# Altium PCB unextended_ANSI.PcbDoc (part 2 of 2)
Units mm, origin at the board's own origin, x right, y up, seen from the top; angles counter-clockwise.
Board outline 284.7 x 94.2 mm, 2 copper layers (Component Side, Bottom Layer), stack 1.571 mm thick; 179 components, 118 nets, 508 pads, 302 vias.
Unrouted connection lines stored in the file: 6.
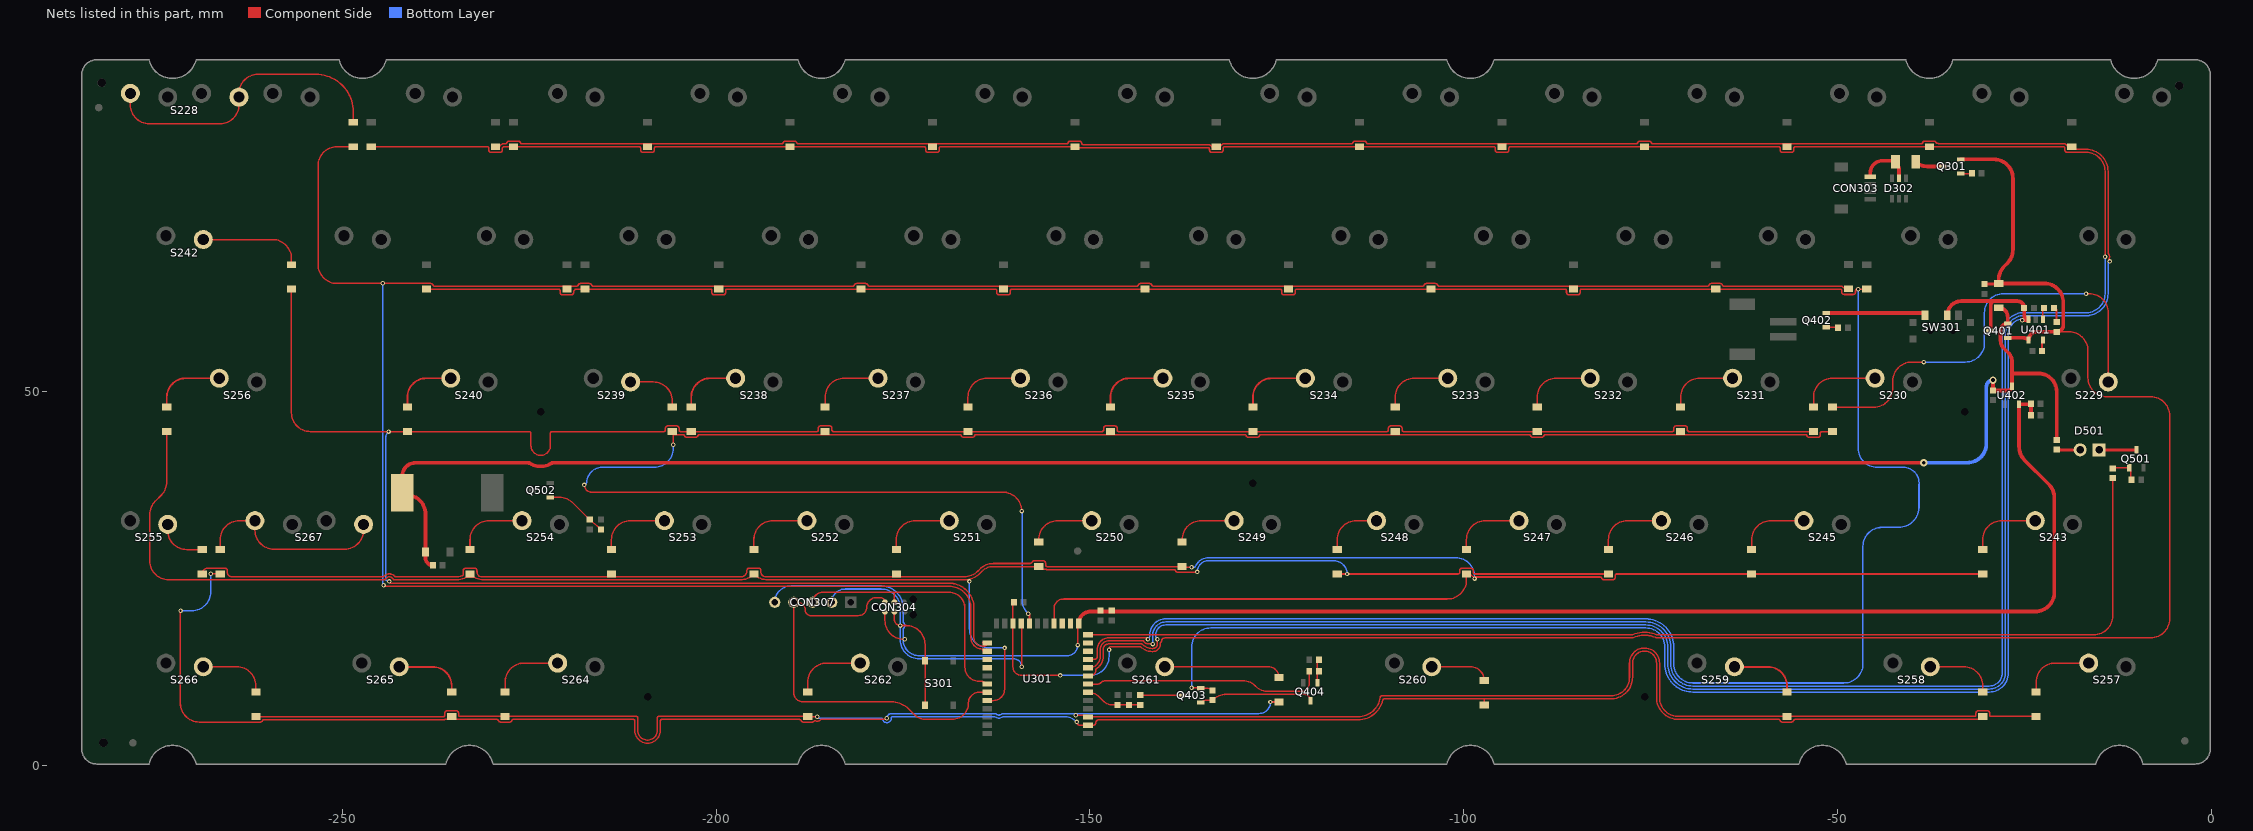
[diagram p2: the nets of this part, all layers, seen from the top]

## Via types
v1: diameter 0.6, hole 0.3, Component Side to Bottom Layer, tented both sides, 291 vias
v2: diameter 1, hole 0.5, Component Side to Bottom Layer, tented both sides, 11 vias

## Nets (pads, with @x,y where several pads share a name; then routed paths per layer and width w, separated by ;. In a path a pad name is that pad's centre, name@x,y a point inside that pad or via, vN(x,y) a via of type N, cw(c..) or ccw(c..) an arc to the next point about the centre after c; other vN are vias at no path point) (continued)
NetD228_1: D228.1 S228.2 | length 41.5
  Component Side w0.203: S228.2@-278.344,89.915 -278.344,88.392 ccw(c-275.804,88.392) -275.804,85.852 -266.359,85.852 ccw(c-266.359,88.392) -263.819,88.392 S228.2@-263.819,89.415 -263.819,89.916 cw(c-261.279,89.916) -261.279,92.456 -253.532,92.456 cw(c-253.532,87.463) -248.539,87.463 D228.1@-248.539,86.05
NetD229_1: D229.1 S229.1 | length 58.4
  Component Side w0.203: D229.1@-50.673,47.95 -45.148,47.95 ccw(c-45.148,50.49) -42.608,50.49 -42.608,51.435 cw(c-40.069,51.435) -40.069,53.975 v1(-38.481,53.975) ; v1(-16.764,63.119) -16.334,63.119 cw(c-16.334,60.579) -13.794,60.579 S229.1@-13.794,51.315
  Bottom Layer w0.203: v1(-38.481,53.975) -32.893,53.975 ccw(c-32.893,56.515) -30.353,56.515 -30.353,60.579 cw(c-27.813,60.579) -27.813,63.119 v1(-16.764,63.119)
NetD230_1: D230.1 S230.1 | length 11
  Component Side w0.203: D230.1@-53.213,47.95 -53.213,49.275 cw(c-50.673,49.275) -50.673,51.815 S230.1@-44.987,51.815
NetD231_1: D231.1 S231.1 | length 9.7
  Component Side w0.203: D231.1@-70.993,47.95 -70.993,49.275 cw(c-68.453,49.275) -68.453,51.815 S231.1@-64.037,51.815
NetD232_1: D232.1 S232.1 | length 9.9
  Component Side w0.203: D232.1@-90.17,47.95 -90.17,49.275 cw(c-87.63,49.275) -87.63,51.815 S232.1@-83.087,51.815
NetD233_1: D233.1 S233.1 | length 9.8
  Component Side w0.203: D233.1@-109.162,47.95 -109.162,49.275 cw(c-106.622,49.275) -106.622,51.815 S233.1@-102.137,51.815
NetD234_1: D234.1 S234.1 | length 9.8
  Component Side w0.254: D234.1@-128.212,47.95 -128.212,49.275 cw(c-125.672,49.275) -125.672,51.815 S234.1@-121.187,51.815
NetD235_1: D235.1 S235.1 | length 9.8
  Component Side w0.254: D235.1@-147.262,47.95 -147.262,49.275 cw(c-144.722,49.275) -144.722,51.815 S235.1@-140.237,51.815
NetD236_1: D236.1 S236.1 | length 9.8
  Component Side w0.203: D236.1@-166.312,47.95 -166.312,49.275 cw(c-163.772,49.275) -163.772,51.815 S236.1@-159.287,51.815
NetD237_1: D237.1 S237.1 | length 9.9
  Component Side w0.203: D237.1@-185.42,47.95 -185.42,49.275 cw(c-182.88,49.275) -182.88,51.815 S237.1@-178.337,51.815
NetD238_1: D238.1 S238.1 | length 8.7
  Component Side w0.254: D238.1@-203.327,47.95 -203.327,49.275 cw(c-200.787,49.275) -200.787,51.815 S238.1@-197.387,51.815
NetD239_1: D239.1 S239.1 | length 7.8
  Component Side w0.203: S239.1@-211.437,51.315 -208.407,51.315 cw(c-208.407,48.775) -205.867,48.775 D239.1@-205.867,47.95
NetD240_1: D240.1 S240.1 | length 8.6
  Component Side w0.254: D240.1@-241.3,47.95 -241.3,49.275 cw(c-238.76,49.275) -238.76,51.815 S240.1@-235.487,51.815
NetD242_1: D242.1 S242.1 | length 14.1
  Component Side w0.203: S242.1@-268.587,70.365 -259.34,70.365 cw(c-259.34,67.825) -256.8,67.825 D242.1@-256.8,67
NetD243_1: D243.1 S243.1 | length 9.8
  Component Side w0.203: D243.1@-30.581,28.9 -30.581,30.225 cw(c-28.041,30.225) -28.041,32.765 S243.1@-23.556,32.765
NetD245_1: D245.1 S245.1 | length 9.7
  Component Side w0.203: D245.1@-61.468,28.9 -61.468,30.225 cw(c-58.928,30.225) -58.928,32.765 S245.1@-54.512,32.765
NetD246_1: D246.1 S246.1 | length 9.9
  Component Side w0.203: D246.1@-80.645,28.9 -80.645,30.225 cw(c-78.105,30.225) -78.105,32.765 S246.1@-73.562,32.765
NetD247_1: D247.1 S247.1 | length 9.8
  Component Side w0.203: D247.1@-99.637,28.9 -99.637,30.225 cw(c-97.097,30.225) -97.097,32.765 S247.1@-92.612,32.765
NetD248_1: D248.1 S248.1 | length 8
  Component Side w0.203: D248.1@-116.912,28.9 -116.912,30.225 cw(c-114.372,30.225) -114.372,32.765 S248.1@-111.662,32.765
NetD249_1: D249.1 S249.1 | length 8.7
  Component Side w0.203: D249.1@-137.668,29.9 -137.668,30.225 cw(c-135.128,30.225) -135.128,32.765 S249.1@-130.712,32.765
NetD250_1: D250.1 S250.1 | length 8.9
  Component Side w0.203: D250.1@-156.845,29.9 -156.845,30.225 cw(c-154.305,30.225) -154.305,32.765 S250.1@-149.762,32.765
NetD251_1: D251.1 S251.1 | length 9.9
  Component Side w0.203: D251.1@-175.895,28.9 -175.895,30.225 cw(c-173.355,30.225) -173.355,32.765 S251.1@-168.812,32.765
NetD252_1: D252.1 S252.1 | length 9.9
  Component Side w0.203: D252.1@-194.945,28.9 -194.945,30.225 cw(c-192.405,30.225) -192.405,32.765 S252.1@-187.862,32.765
NetD253_1: D253.1 S253.1 | length 9.9
  Component Side w0.203: D253.1@-213.995,28.9 -213.995,30.225 cw(c-211.455,30.225) -211.455,32.765 S253.1@-206.912,32.765
NetD254_1: D254.1 S254.1 | length 10.1
  Component Side w0.203: D254.1@-232.918,28.9 -232.918,30.225 cw(c-230.378,30.225) -230.378,32.765 S254.1@-225.962,32.765
  Component Side w0.254: S254.1@-226.272,33.075 S254.1@-226.002,33.345
NetD255_1: D255.1 S255.1 | length 6.9
  Component Side w0.203: S255.1@-273.35,32.265 -273.35,31.44 ccw(c-270.81,31.44) -270.81,28.9 D255.1@-268.732,28.9
NetD256_1: D256.1 S256.1 | length 9.8
  Component Side w0.254: D256.1@-273.475,47.95 -273.475,49.275 cw(c-270.935,49.275) -270.935,51.815 S256.1@-266.45,51.815
NetD257_1: D257.1 S257.1 | length 9.8
  Component Side w0.203: D257.1@-23.437,9.85 -23.437,11.175 cw(c-20.897,11.175) -20.897,13.715 S257.1@-16.412,13.715
NetD258_1: D258.1 S258.1 | length 9.3
  Component Side w0.203: S258.1@-37.6,13.215 -33.115,13.215 cw(c-33.115,10.675) -30.575,10.675 D258.1@-30.575,9.85
NetD259_1: D259.1 S259.1 | length 9.3
  Component Side w0.254: S259.1@-63.799,13.215 -59.314,13.215 cw(c-59.314,10.675) -56.774,10.675 D259.1@-56.774,9.85
NetD260_1: D260.1 S260.1 | length 8.1
  Component Side w0.203: S260.1@-104.28,13.215 -99.095,13.215 cw(c-99.095,11.375) D260.1@-97.255,11.375
NetD261_1: D261.1 S261.2 | length 16.1
  Component Side w0.203: S261.2@-139.999,13.215 -126.134,13.215 cw(c-126.134,11.795) D261.1@-124.714,11.795
NetD262_1: D262.1 S262.1 | length 9.8
  Component Side w0.203: D262.1@-187.743,9.85 -187.743,11.175 cw(c-185.203,11.175) -185.203,13.715 S262.1@-180.718,13.715
NetD264_1: D264.1 S264.2 | length 9.8
  Component Side w0.203: D264.1@-228.224,9.85 -228.224,11.175 cw(c-225.684,11.175) -225.684,13.715 S264.2@-221.199,13.715
NetD265_1: D265.1 S265.1 | length 9.3
  Component Side w0.254: S265.1@-242.388,13.215 -237.903,13.215 cw(c-237.903,10.675) -235.363,10.675 D265.1@-235.363,9.85
NetD266_1: D266.1 S266.1 | length 9.3
  Component Side w0.203: S266.1@-268.587,13.215 -264.102,13.215 cw(c-264.102,10.675) -261.562,10.675 D266.1@-261.562,9.85
NetD267_1: D267.1 S267.2 | length 26.9
  Component Side w0.203: D267.1@-266.319,28.9 -266.319,30.225 cw(c-263.779,30.225) -263.779,32.765 S267.2@-261.68,32.765 -261.68,31.496 ccw(c-259.14,31.496) -259.14,28.956 -249.695,28.956 ccw(c-249.695,31.496) -247.155,31.496 S267.2@-247.155,32.265
NetD401_2: D401.2 R401.2 | length 2.1
  Component Side w0.254: R401.2@-21.067,61.214 cw(c-21.067,60.848) -20.701,60.848 D401.2@-20.701,59.324
NetD501_1: D501.1 R501.1 | length 2.8
  Component Side w0.4: R501.1@-20.305,42.291 ccw(c-20.17,42.426) -20.17,42.235 D501.1@-17.564,42.235
NetD501_2: D501.2 Q501.3 | length 5
  Component Side w0.203: D501.2@-15.031,42.235 D501.2@-15.024,42.235
  Component Side w0.4: D501.2@-15.024,42.235 ccw(c-14.99,42.269) -14.99,42.221 Q501.3@-10.033,42.221
NetF301_1: F301.1 Q301.3 | length 3.8
  Component Side w0.5: F301.1@-39.544,80.772 ccw(c-38.011,82.305) -38.011,80.137 Q301.3@-35.945,80.137
NetQ301_1: Q301.1 R301.1 | length 1.6
  Component Side w0.203: Q301.1@-33.545,79.187 -32.08,79.187 ccw(c-32.08,79.248) R301.1@-32.019,79.248
NetQ402_1: Q402.1 R403.1 | length 1.6
  Component Side w0.203: Q402.1@-51.487,58.635 -50.014,58.635 cw(c-50.014,58.547) R403.1@-49.926,58.547
NetQ402_2: Q402.2 SW301.1 | length 13.3
  Component Side w0.5: Q402.2@-51.487,60.535 -38.612,60.535 cw(c-38.612,60.241) SW301.1@-38.318,60.241
NetQ403_1: Q403.1 Q404.3 R407.2 | length 15.4
  Component Side w0.203: Q403.1@-135.198,8.448 cw(c-134.474,7.724) -134.474,8.748 R407.2@-133.604,8.748 -133.571,8.781 cw(c-131.775,6.985) -131.775,9.525 -121.342,9.525 cw(c-121.342,8.706) Q404.3@-120.523,8.706
NetQ403_3: Q403.3 R408.1 | length 5.7
  Component Side w0.203: R408.1@-143.256,9.413 ccw(c-143.22,9.449) -143.22,9.398 Q403.3@-137.598,9.398
NetQ404_1: Q404.1 R405.2 R406.1 | length 3.2
  Component Side w0.203: Q404.1@-119.573,11.106 -119.573,13.954 cw(c-119.365,13.954) R406.1@-119.365,14.162
NetQ501_1: Q501.1 R503.2 R504.1 | length 3.9
  Component Side w0.203: R503.2@-13.208,39.766 cw(c-13.153,39.766) -13.153,39.821 Q501.1@-10.983,39.821 -10.81,39.423 -10.81,38.55 R504.1@-10.683,38.227
NetQ502_1: Q502.1 R510.1 R511.1 | length 8.4
  Component Side w0.203: Q502.1@-222.193,35.88 -220.94,35.88 cw(c-220.94,33.34) -219.144,35.136 R511.1@-216.916,32.908 R510.1@-215.392,31.608
NetR401_1: R401.1 U401.1 | length 1.6
  Component Side w0.203: U401.1@-22.545,59.676 -22.545,61.036 cw(c-22.367,61.036) R401.1@-22.367,61.214
NetR402_1: R402.1 U401.5 | length 1.5
  Component Side w0.254: R402.1@-22.632,55.465 -22.632,56.839 cw(c-22.545,56.839) U401.5@-22.545,56.926
NetU301_11: U301.11
P0.02: R405.1 U301.7 | length 32.5
  Component Side w0.203: U301.7@-150.25,10.9 -149.006,10.9 ; -148.866,10.9 -149.006,10.9 ; R405.1@-120.665,12.638 -120.665,10.94 cw(c-121.677,10.94) -121.677,9.928 -126.529,9.928 cw(c-126.528,10.131) -126.569,9.932 cw(c-126.047,12.418) -127.842,10.621 -127.889,10.668 ccw(c-129.554,9.003) -129.554,11.358 -147.901,11.358 ccw(c-147.901,10.44) -148.55,11.089 cw(c-149.006,11.546) -149.006,10.9
P0.03: C405.2 R408.2 R409.1 U301.6 | length 7.5
  Component Side w0.203: U301.6@-150.25,9.8 cw(c-150.25,7.683) -148.753,9.18 -148.259,8.686 ccw(c-146.876,10.068) -146.876,8.113 C405.2@-144.78,8.113 R408.2@-143.256,8.113
P0.04: U301.12
P0.05: R503.1 U301.13 | length 157
  Component Side w0.203: U301.13@-150.25,17.5 -77.509,17.5 ccw(c-77.51,17.703) -77.432,17.516 cw(c-75.819,13.715) -74.206,17.516 ccw(c-74.128,17.703) -74.129,17.5 -15.748,17.5 ccw(c-15.748,20.04) -13.208,20.04 R503.1@-13.208,38.466
P0.07: U301.15
P0.12: D243.2 D245.2 D247.2 D249.2 D251.2 D253.2 D255.2 U301.17 | length 308.1
  Component Side w0.203: D255.2@-268.732,25.63 cw(c-267.95,25.63) -267.95,26.412 -265.709,26.412 cw(c-265.709,26.085) -265.382,26.085 -265.382,25.917 -265.382,25.86 ccw(c-264.795,25.86) -264.795,25.273 ccw(c-264.773,25.273) -264.773,25.251 -244.602,25.251 ccw(c-244.603,25.454) -244.454,25.317 cw(c-243.713,24.638) -244.437,25.335 cw(c-243.713,24.638) -242.989,25.334 cw(c-243.713,24.638) -242.972,25.316 ccw(c-242.823,25.454) -242.824,25.251 -234.676,25.251 ccw(c-234.676,27.388) -233.964,25.373 ccw(c-234.033,25.565) -233.83,25.563 -233.83,26.085 cw(c-233.528,26.085) -233.528,26.387 ; -233.528,26.412 -232.308,26.412 cw(c-232.308,26.085) -231.981,26.085 -231.981,25.884 ccw(c-231.348,25.884) -231.679,25.345 ccw(c-231.571,25.517) -231.624,25.321 ccw(c-231.084,27.388) -231.084,25.251 -213.995,25.251 -199.78,25.251 -196.78,25.251 ccw(c-196.78,27.388) -196.61,25.258 ccw(c-196.716,26.085) -195.882,26.085 cw(c-195.555,26.085) -195.555,26.412 -194.335,26.412 cw(c-194.335,26.085) -194.008,26.085 -194.008,25.882 ccw(c-193.384,25.882) -193.688,25.337 ccw(c-193.587,25.514) -193.638,25.317 ccw(c-193.111,27.388) -193.294,25.259 ccw(c-193.276,25.461) -193.293,25.259 ccw(c-193.276,25.461) -193.277,25.258 ; -193.276,25.258 -192.532,25.258 -166.802,25.258 ccw(c-166.802,27.798) -165.006,26.002 -164.719,26.289 cw(c-162.923,24.493) -162.923,27.033 -158.003,27.033 ccw(c-158.003,27.236) -157.86,27.093 -157.731,27.221 ccw(c-157.876,27.364) -157.707,27.251 cw(c-157.455,27.085) -157.455,27.387 -156.235,27.387 cw(c-156.235,27.085) -155.933,27.085 -155.933,26.833 ccw(c-155.73,26.833) -155.73,26.63 D249.2@-137.668,26.63 ccw(c-137.581,26.63) -137.581,26.543 v1(-136.398,26.543) ; U301.17@-154.8,19 -154.8,21.002 cw(c-153.516,21.002) -153.516,22.285 -102.177,22.285 ccw(c-102.177,24.825) -99.637,24.825 D247.2@-99.637,25.63 -99.129,25.559 -99.068,25.559 cw(c-99.223,25.427) -99.047,25.529 ccw(c-98.522,25.833) -98.522,25.227 -81.736,25.227 cw(c-81.737,25.024) -81.543,25.085 ccw(c-81.255,25.175) -81.255,24.873 -80.035,24.873 ccw(c-80.035,25.175) -79.967,24.881 ccw(c-80.035,25.175) -79.733,25.175 -79.733,25.433 cw(c-79.53,25.433) -79.581,25.63 D245.2@-61.537,25.63 D243.2@-30.581,25.63
  Bottom Layer w0.203: v1(-136.398,26.543) -136.068,26.543 ccw(c-136.069,26.746) -135.882,26.665 cw(c-134.134,25.908) -134.134,27.813 -101.092,27.813 cw(c-101.092,25.273) -98.552,25.273 v1(-98.552,25.019)
P0.18/RESET: CON304.3 CON307.2 S301.2 U301.21 | length 55.2
  Component Side w0.203: CON304.3@-176.149,20.574 -176.149,19.508 ccw(c-175.381,19.508) v1(-175.381,18.74) -174.595,18.74 cw(c-174.595,16.2) -172.456,17.569 cw(c-174.595,16.2) -172.055,16.2 S301.2@-172.055,14.049 S301.2@-172.055,8.049 ; U301.21@-159.2,19 -159.131,18.931 v1(-159.131,13.208)
  Bottom Layer w0.203: CON307.2@-184.531,21.844 cw(c-182.753,21.844) -182.753,23.622 -177.927,23.622 cw(c-177.927,21.082) -175.387,21.082 -175.387,18.746 v1(-175.381,18.74) -175.387,18.734 -175.387,16.839 ccw(c-172.847,16.839) -172.847,14.299 -160.222,14.299 cw(c-160.222,13.208) v1(-159.131,13.208)
P0.19: D229.2 D231.2 D233.2 D235.2 D237.2 D239.2 U301.20 | length 249.8
  Component Side w0.203: v1(-217.626,37.537) ccw(c-216.674,37.537) -216.674,36.585 -161.671,36.585 cw(c-161.671,34.045) v1(-159.131,34.045) ; D239.2@-205.867,44.68 cw(c-205.867,44.553) -205.74,44.553 D239.2@-205.74,44.277 ; v1(-205.74,42.926) D239.2@-205.74,44.277 ; D229.2@-50.673,44.68 -52.098,44.68 ccw(c-52.098,44.477) -52.301,44.477 -52.301,44.225 cw(c-52.603,44.225) -52.603,43.923 -53.823,43.923 cw(c-53.823,44.225) -54.111,44.135 ccw(c-54.305,44.074) -54.304,44.277 -89.079,44.277 ccw(c-89.078,44.074) -89.272,44.136 cw(c-89.56,44.225) -89.56,43.923 -90.78,43.923 cw(c-90.78,44.225) -91.068,44.135 ccw(c-91.262,44.074) -91.261,44.277 -127.122,44.277 ccw(c-127.121,44.074) -127.314,44.136 cw(c-127.602,44.225) -127.602,43.923 -128.823,43.923 cw(c-128.823,44.225) -129.11,44.135 ccw(c-129.304,44.074) -129.303,44.277 -165.222,44.277 ccw(c-165.221,44.074) -165.414,44.136 cw(c-165.702,44.225) -165.702,43.923 -166.923,43.923 cw(c-166.923,44.225) -167.21,44.135 ccw(c-167.404,44.074) -167.403,44.277 -202.236,44.277 ccw(c-202.235,44.074) -202.429,44.136 cw(c-202.717,44.225) -202.717,43.923 -203.937,43.923 cw(c-203.937,44.225) -204.209,44.096 cw(c-203.937,44.225) -204.225,44.135 ccw(c-204.419,44.074) -204.418,44.277 D239.2@-205.74,44.277
  Component Side w0.254: v1(-158.242,20.32) cw(c-158.242,20.178) -158.1,20.178 U301.20@-158.1,19
  Bottom Layer w0.203: v1(-217.626,37.537) ccw(c-217.666,37.737) -217.523,37.592 -217.382,37.733 ccw(c-217.527,37.876) -217.324,37.867 cw(c-215.212,37.79) -215.212,39.903 -208.28,39.903 ccw(c-208.28,42.443) -205.74,42.443 v1(-205.74,42.926) ; v1(-159.131,34.045) cw(c-159.131,33.995) -159.081,33.995 -159.081,22.211 ccw(c-156.541,22.211) -158.337,20.415 v1(-158.242,20.32)
P0.22: D230.2 D232.2 D234.2 D236.2 D238.2 D240.2 D242.2 U301.26 | length 339.6
  Component Side w0.203: D242.2@-256.8,63.73 -256.8,47.22 ccw(c-254.26,47.22) -254.26,44.68 v1(-243.808,44.68) D240.2@-241.3,44.68 -225.274,44.68 cw(c-225.274,43.053) -224.927,44.643 cw(c-224.972,44.444) -224.768,44.445 -224.768,42.815 ccw(c-223.462,42.815) -222.156,42.815 -222.156,44.477 cw(c-221.952,44.477) -221.952,44.68 -206.982,44.68 ccw(c-206.982,44.883) -206.779,44.883 -206.779,45.135 cw(c-206.477,45.135) -206.477,45.437 -205.257,45.437 cw(c-205.257,45.135) -204.955,45.135 -204.955,44.883 ccw(c-204.752,44.883) -204.752,44.68 D238.2@-203.327,44.68 -186.535,44.68 ccw(c-186.535,44.883) -186.332,44.883 -186.332,45.135 cw(c-186.03,45.135) -186.03,45.437 -184.81,45.437 cw(c-184.81,45.135) -184.508,45.135 -184.508,44.883 ccw(c-184.305,44.883) -184.305,44.68 D236.2@-166.312,44.68 -148.377,44.68 ccw(c-148.377,44.883) -148.174,44.883 -148.174,45.135 cw(c-147.873,45.135) -148.173,45.164 cw(c-147.873,45.135) -147.873,45.437 -146.652,45.437 cw(c-146.652,45.135) -146.375,45.252 cw(c-146.652,45.135) -146.351,45.135 -146.351,44.883 ccw(c-146.148,44.883) -146.148,44.68 D234.2@-128.212,44.68 -110.277,44.68 ccw(c-110.277,44.883) -110.074,44.883 -110.074,45.135 cw(c-109.773,45.135) -109.773,45.437 -108.552,45.437 cw(c-108.552,45.135) -108.251,45.135 -108.251,44.883 ccw(c-108.048,44.883) -108.048,44.68 D232.2@-90.17,44.68 -72.108,44.68 ccw(c-72.108,44.883) -71.905,44.883 -71.905,45.135 cw(c-71.603,45.135) -71.603,45.437 -70.383,45.437 cw(c-70.383,45.135) -70.081,45.135 -70.081,44.883 ccw(c-69.878,44.883) -69.878,44.68 D230.2@-53.213,44.68 ; v1@-243.586,24.406 -243.196,24.406 ccw(c-243.196,24.609) -243.184,24.407 -243.074,24.413 cw(c-243.062,24.21) -243.05,24.413 -242.94,24.407 ccw(c-242.928,24.609) -242.929,24.406 -240.159,24.406 ; -240.158,24.406 -187.849,24.406 cw(c-187.847,23.6) -187.847,24.406 -168.854,24.406 cw(c-168.854,21.06) -166.981,23.832 cw(c-168.854,21.06) -165.508,21.06 -165.508,17.091 ccw(c-164.412,17.091) -164.412,15.995 -164.155,15.995 ccw(c-164.155,16.4) U301.26@-163.75,16.4 -164.298,16.468 U301.26@-164.301,16.468
  Bottom Layer w0.203: v1(-243.808,44.68) ccw(c-242.865,43.737) -244.199,43.737 -244.199,24.928 ccw(c-243.996,24.929) -244.119,24.767 ccw(c-243.735,25.273) -243.735,24.638 v1(-243.713,24.638)
P0.28: D201.2 D203.2 D205.2 D207.2 D209.2 D211.2 D213.2 U301.8 | length 434.7
  Component Side w0.203: D213.2@-229.489,82.78 -228.946,82.78 cw(c-228.374,82.577) -228.374,83.183 -228.167,83.183 ccw(c-228.168,83.386) -227.974,83.325 cw(c-227.686,83.235) -227.686,83.537 -226.466,83.537 cw(c-226.466,83.235) -226.178,83.324 ccw(c-225.984,83.386) -225.985,83.183 -191.216,83.183 ccw(c-191.217,83.386) -191.023,83.325 cw(c-190.735,83.235) -190.735,83.537 -189.515,83.537 cw(c-189.515,83.235) -189.227,83.324 ccw(c-189.033,83.386) -189.034,83.183 -153.11,83.183 ccw(c-153.111,83.386) -152.917,83.325 cw(c-152.629,83.235) -152.629,83.537 -151.409,83.537 cw(c-151.409,83.235) -151.108,83.256 ccw(c-150.906,83.273) -150.907,83.069 -134.211,83.069 cw(c-134.211,82.463) -133.644,82.679 ccw(c-133.455,82.753) -133.456,82.55 -132.77,82.55 ccw(c-132.771,82.753) -132.573,82.709 cw(c-131.981,82.577) -131.981,83.183 -115.01,83.183 ccw(c-115.011,83.386) -114.817,83.325 cw(c-114.529,83.235) -114.529,83.537 -113.309,83.537 cw(c-113.309,83.235) -113.021,83.324 ccw(c-112.827,83.386) -112.828,83.183 -76.916,83.183 ccw(c-76.917,83.386) -76.723,83.325 cw(c-76.435,83.235) -76.435,83.537 -75.215,83.537 cw(c-75.215,83.235) -74.927,83.324 ccw(c-74.733,83.386) -74.734,83.183 -38.816,83.183 ccw(c-38.817,83.386) -38.623,83.325 cw(c-38.335,83.235) -38.335,83.537 -37.115,83.537 cw(c-37.115,83.235) -36.827,83.324 cw(c-37.115,83.235) -36.813,83.235 -36.813,83.228 -36.631,83.228 cw(c-36.631,83.025) -36.555,83.213 -36.518,83.198 ccw(c-36.442,83.386) -36.443,83.183 -19.79,83.183 cw(c-19.79,82.577) -19.185,82.616 ccw(c-18.982,82.63) -18.983,82.427 -16.764,82.427 cw(c-16.764,79.483) -13.821,79.483 -13.821,68.599 ccw(c-13.618,68.601) -13.772,68.469 ; D211.2@-209.272,82.646 ccw(c-210.037,83.594) D211.2@-209.175,82.733 ; U301.8@-150.25,12 -149.925,12 ccw(c-149.925,12.7) -149.225,12.7 cw(c-149.028,12.749) -149.218,12.82 -149.199,12.872 cw(c-149.008,12.801) -149.117,12.973 ccw(c-150.11,14.574) -148.839,13.184 ccw(c-150.11,14.574) -148.226,14.574 -148.226,15.509 cw(c-147.445,15.509) -147.545,16.284 cw(c-147.445,15.509) -147.445,16.29 -143.141,16.29 cw(c-143.142,16.087) -142.99,16.223 ccw(c-142.24,16.891) -142.812,16.065 ; -142.812,16.065 cw(c-142.927,15.897) -142.81,16.064 cw(c-142.927,15.897) -142.803,16.058 ccw(c-141.639,17.575) -141.639,15.663 -141.583,15.663 ccw(c-141.583,16.265) -140.981,16.278 cw(c-140.778,16.281) -140.981,16.28 -140.981,16.824 cw(c-140.778,16.824) v1(-140.97,16.891) ; -13.772,68.468 cw(c-14.224,68.072) -13.719,67.745
  Bottom Layer w0.203: v1(-140.97,16.891) cw(c-140.464,17.397) -141.18,17.397 -141.18,17.5 cw(c-139.861,17.5) -139.861,18.818 -75.648,18.818 cw(c-75.648,15.875) -72.704,15.879 cw(c-75.648,15.875) -72.704,15.875 -72.704,14.986 -72.704,13.589 ccw(c-69.358,13.589) -72.704,13.585 ccw(c-69.358,13.589) -72.315,12.022 ccw(c-69.358,13.589) -71.567,11.075 ccw(c-69.358,13.589) -71.169,10.775 ccw(c-69.358,13.589) -69.358,10.243 -29.704,10.243 ccw(c-29.704,12.379) -28.295,10.773 ; -28.377,10.705 ccw(c-29.704,12.379) -27.637,11.836 ccw(c-29.704,12.379) -27.567,12.379 -27.567,57.658 cw(c-25.027,57.658) -25.027,60.198 -16.407,60.198 ccw(c-16.407,60.746) -16.257,60.219 cw(c-16.202,60.023) -16.239,60.223 ccw(c-16.764,63.119) -14.991,60.77 ccw(c-16.764,63.119) -13.821,63.119 -13.821,67.205 cw(c-13.589,67.205) v1(-13.589,67.437)
P1.00: D216.2 D218.2 D220.2 D222.2 D224.2 D226.2 D228.2 U301.27 | length 355.1
  Component Side w0.203: D228.2@-248.539,82.78 -250.698,82.78 ccw(c-250.698,80.24) -253.238,80.24 -253.238,67.027 ccw(c-250.698,67.027) -250.698,64.487 -238.15,64.487 cw(c-238.15,64.185) -237.862,64.274 ccw(c-237.668,64.336) -237.669,64.133 -218.642,64.133 ccw(c-218.643,64.336) -218.449,64.275 cw(c-218.161,64.185) -218.161,64.487 -216.941,64.487 cw(c-216.941,64.185) -216.653,64.274 ccw(c-216.459,64.336) -216.46,64.133 -209.595,64.133 cw(c-209.568,63.932) -209.569,64.135 -189.357,64.135 -189.357,64.133 -181.691,64.133 ccw(c-181.692,64.336) -181.498,64.275 cw(c-181.21,64.185) -181.21,64.487 -179.99,64.487 cw(c-179.99,64.185) -179.702,64.274 ccw(c-179.508,64.336) -179.509,64.133 -143.712,64.133 ccw(c-143.713,64.336) -143.519,64.275 cw(c-143.231,64.185) -143.231,64.487 -142.011,64.487 cw(c-142.011,64.185) -141.723,64.274 ccw(c-141.529,64.336) -141.53,64.133 -105.491,64.133 ccw(c-105.492,64.336) -105.298,64.275 cw(c-105.01,64.185) -105.01,64.487 -103.79,64.487 cw(c-103.79,64.185) -103.502,64.274 ccw(c-103.308,64.336) -103.309,64.133 -67.385,64.133 ccw(c-67.386,64.336) -67.192,64.275 cw(c-66.904,64.185) -66.904,64.487 -65.684,64.487 cw(c-65.684,64.185) -65.396,64.274 ccw(c-65.202,64.336) -65.203,64.133 -49.633,64.133 cw(c-49.633,63.5) -49.532,64.125 cw(c-49.629,63.526) -49.123,63.86 ccw(c-48.954,63.973) -49.077,63.812 -49.022,63.812 D216.2@-48.514,63.77 ; v1@-244.348,24.003 -238.749,24.003 cw(c-238.747,23.6) -238.747,24.003 -187.848,24.003 ; -187.847,24.003 -168.854,24.003 cw(c-168.854,21.06) -167.518,23.682 cw(c-168.854,21.06) -165.911,21.06 -165.911,17.091 ccw(c-164.412,17.091) -164.412,15.592 -164.042,15.592 cw(c-164.042,15.3) U301.27@-163.75,15.3 ; U301.27@-164.302,15.369 ccw(c-164.298,16.982) U301.27@-164.298,15.369
  Bottom Layer w0.203: v1(-244.602,64.511) -244.602,24.257 ccw(c-244.475,24.257) v1(-244.475,24.13)
P1.01: U301.29
P1.03: U301.28
P1.04: D246.2 D248.2 D250.2 D252.2 D254.2 D256.2 U301.33 | length 242.4
  Component Side w0.203: D256.2@-273.475,44.68 -273.475,37.965 cw(c-276.015,37.965) -274.219,36.169 -275,35.388 ccw(c-273.204,33.592) -275.744,33.592 -275.744,27.388 ccw(c-273.204,27.388) -273.204,24.848 -244.403,24.848 ccw(c-244.404,25.051) -244.23,24.946 cw(c-243.713,24.638) -243.196,24.946 ccw(c-243.022,25.051) -243.023,24.848 -234.676,24.848 ccw(c-234.676,27.388) D254.2@-233.428,25.176 ; D254.2@-232.88,25.592 cw(c-234.676,27.388) D254.2@-233.428,25.176 ; U301.33@-163.75,8.7 -162.926,8.7 ccw(c-162.926,10.209) -161.417,10.209 v1(-161.417,15.748) ; v1(-135.636,25.908) cw(c-135.72,25.992) -135.72,25.873 -138.278,25.873 cw(c-138.278,26.175) -138.566,26.085 ccw(c-138.76,26.024) -138.759,26.227 -155.73,26.227 cw(c-155.73,26.833) -155.964,26.274 ccw(c-156.041,26.086) -156.04,26.289 -156.337,26.289 D250.2@-156.845,26.63 -160.216,26.63 -162.923,26.63 ccw(c-162.923,24.493) -164.433,26.004 -164.721,25.716 cw(c-166.802,27.798) -164.892,25.559 cw(c-166.802,27.798) -166.802,24.855 -168.475,24.855 ccw(c-168.476,24.652) -168.526,24.849 -168.529,24.848 -193.111,24.848 cw(c-193.111,27.388) -194.907,25.592 D252.2@-194.945,25.63 -194.984,25.592 cw(c-196.78,27.388) -196.78,24.848 -231.084,24.848 cw(c-231.084,27.388) -232.332,25.176 D254.2@-233.428,25.176 ; D248.2@-116.912,25.63 v1(-115.6,25.63) -100.752,25.63 ccw(c-100.752,25.833) -100.549,25.833 -100.549,26.085 cw(c-100.247,26.085) -100.523,26.206 cw(c-100.247,26.085) -100.247,26.387 -99.027,26.387 cw(c-99.027,26.085) -98.726,26.085 -98.726,25.833 ccw(c-98.522,25.833) -98.522,25.63 D246.2@-80.645,25.63
  Bottom Layer w0.203: v1(-166.116,24.638) -166.116,18.288 ccw(c-163.576,18.288) -163.576,15.748 v1(-161.417,15.748) ; v1(-135.636,25.908) cw(c-134.134,25.908) -134.434,27.38 cw(c-134.134,25.908) -134.134,27.41 -117.38,27.41 cw(c-117.38,25.63) v1(-115.6,25.63)
P1.09: U301.16
P1.10: D257.2 D259.2 D261.2 D265.2 D267.2 U301.3 | length 319.5
  Component Side w0.203: v1@-271.653,20.701 -271.653,8.363 ccw(c-269.113,8.363) -269.113,5.823 -260.952,5.823 ccw(c-260.952,6.125) -260.671,6.016 cw(c-260.482,5.941) -260.483,6.144 -236.478,6.144 ccw(c-236.478,6.75) -236.307,6.169 cw(c-236.25,5.974) -236.251,6.177 -229.315,6.177 cw(c-229.316,5.974) -229.122,6.035 ccw(c-228.834,6.125) -228.834,5.823 -227.614,5.823 ccw(c-227.614,6.125) -227.326,6.036 cw(c-227.132,5.974) -227.133,6.177 -211.082,6.177 cw(c-211.082,5.974) -210.879,5.974 -210.879,4.715 ccw(c-209.169,4.715) -207.459,4.715 -207.459,5.974 cw(c-207.256,5.974) -207.256,6.177 -188.834,6.177 cw(c-188.835,5.974) -188.641,6.035 ccw(c-188.353,6.125) -188.353,5.823 -187.133,5.823 ccw(c-187.133,6.125) -186.905,5.927 cw(c-186.752,5.793) -186.682,5.984 ccw(c-186.473,6.548) -186.018,6.154 cw(c-185.866,6.02) -185.867,6.223 -177.292,6.223 ccw(c-177.292,6.35) v1(-177.165,6.35) ; v1(-267.589,25.654) -266.343,25.654 cw(c-266.343,25.63) D267.2@-266.319,25.63 ; v1(-151.892,6.731) -150.406,6.731 cw(c-150.406,6.537) -150.213,6.537 -114.134,6.537 ccw(c-114.134,9.521) -112.557,6.989 ; v1(-125.857,8.509) -124.73,8.509 D261.2@-124.714,8.525 ; -112.557,6.989 cw(c-112.448,6.817) -112.546,6.995 ccw(c-112.835,7.528) -112.473,7.042 -112.459,7.052 cw(c-112.337,6.889) -112.452,7.057 ccw(c-114.134,9.521) -112.226,7.227 -112.201,7.248 ccw(c-112.294,7.429) -112.151,7.284 -112.025,7.411 ccw(c-114.134,9.521) -111.174,9.148 cw(c-110.973,9.122) -111,9.323 cw(c-110.796,7.76) -110.796,9.337 -80.305,9.337 ccw(c-80.305,11.811) -77.83,11.811 -77.83,13.715 cw(c-75.819,13.715) -77.796,14.084 cw(c-75.819,13.715) -77.795,14.088 cw(c-75.819,13.715) -77.734,14.329 -77.733,14.332 ccw(c-77.926,14.396) -77.733,14.333 cw(c-75.819,13.715) -73.935,14.419 ccw(c-73.733,14.438) -73.925,14.372 cw(c-75.819,13.715) -73.814,13.715 -73.814,12.617 -73.814,9.12 ccw(c-71.274,9.12) -72.136,6.731 ccw(c-71.274,9.12) -71.274,6.58 D259.2@-56.774,6.58 -31.69,6.58 ccw(c-31.69,6.783) -31.487,6.783 -31.487,7.035 cw(c-31.185,7.035) -31.185,7.337 -29.965,7.337 cw(c-29.965,7.035) -29.663,7.035 -29.663,6.76 ccw(c-29.46,6.761) -29.552,6.58 D257.2@-23.437,6.58
  Bottom Layer w0.203: v1(-271.629,20.725) -270.129,20.725 ccw(c-270.129,23.265) -267.589,23.265 v1(-267.589,25.654) ; v1(-177.165,6.35) cw(c-176.552,6.35) -176.552,6.963 -171.439,6.963 -162.708,6.963 cw(c-162.708,6.76) -162.575,6.913 ccw(c-162.179,7.366) -162.179,6.764 ccw(c-162.179,7.366) -161.783,6.913 cw(c-161.65,6.76) -161.773,6.921 cw(c-161.65,6.76) -161.651,6.963 cw(c-161.65,6.76) -161.649,6.963 -127.403,6.963 ccw(c-127.403,8.509) v1(-125.857,8.509)
P1.11: D258.2 D260.2 D262.2 D264.2 D266.2 U301.2 | length 253.3
  Component Side w0.203: D266.2@-261.562,6.58 -261.054,6.547 -236.478,6.547 ccw(c-236.478,6.75) -236.275,6.75 -236.275,7.035 cw(c-235.973,7.035) -235.973,7.337 -234.753,7.337 cw(c-234.753,7.035) -234.451,7.035 -234.451,6.783 ccw(c-234.248,6.783) -234.248,6.58 D264.2@-228.224,6.58 -210.679,6.58 cw(c-210.679,6.377) -210.475,6.377 -210.475,4.715 ccw(c-209.169,4.715) -207.863,4.715 -207.863,6.377 cw(c-207.659,6.377) -207.659,6.58 D262.2@-187.743,6.58 ccw(c-187.711,6.58) -187.711,6.548 v1(-186.473,6.548) ; v1(-151.765,5.842) ccw(c-151.323,5.842) -151.323,5.4 U301.2@-150.25,5.4 -149.54,5.4 ccw(c-149.54,5.715) -149.225,5.715 cw(c-148.806,5.715) -148.806,6.134 -114.134,6.134 ccw(c-114.134,9.521) -112.352,6.641 cw(c-112.244,6.469) -112.344,6.646 ccw(c-112.835,7.528) -112.233,6.718 cw(c-112.111,6.555) -112.23,6.719 -112.223,6.725 cw(c-112.103,6.561) -112.219,6.728 ccw(c-114.134,9.521) -111.977,6.91 cw(c-111.846,6.754) -111.96,6.923 ccw(c-112.294,7.429) -111.866,7 -111.739,7.127 ccw(c-114.134,9.521) -110.831,8.776 cw(c-110.633,8.73) -110.634,8.933 -97.255,8.933 ; D260.2@-97.255,8.105 -97.255,8.933 ; D258.2@-30.575,6.58 cw(c-30.978,6.58) -30.978,6.177 -55.683,6.177 ccw(c-55.682,5.974) -55.876,6.036 cw(c-56.164,6.125) -56.164,5.823 -57.384,5.823 cw(c-57.384,6.125) -57.672,6.035 ccw(c-57.866,5.974) -57.865,6.177 -71.274,6.177 cw(c-71.274,9.12) -74.217,9.12 -74.217,11.557 -74.217,13.335 -74.217,13.715 ccw(c-75.819,13.715) -74.669,14.83 cw(c-74.522,14.97) -74.675,14.836 ccw(c-76.04,13.629) -74.751,14.917 ccw(c-75.819,13.715) -77.35,14.207 ccw(c-75.819,13.715) -77.427,13.715 -77.427,11.811 cw(c-80.305,11.811) -77.573,10.907 cw(c-80.305,11.811) -78.003,10.084 cw(c-80.305,11.811) -78.773,9.375 cw(c-80.305,11.811) -79.855,8.969 cw(c-80.305,11.811) -80.305,8.933 -97.255,8.933
  Bottom Layer w0.203: v1(-186.473,6.548) -186.347,6.422 ccw(c-186.204,6.566) -186.204,6.363 -177.946,6.363 cw(c-177.947,6.16) -177.75,6.208 ccw(c-177.165,6.35) -176.563,6.356 cw(c-176.36,6.356) -176.361,6.56 -173.953,6.56 -162.843,6.56 cw(c-162.842,6.356) -162.731,6.526 ccw(c-162.179,7.366) -161.627,6.526 cw(c-161.516,6.356) -161.515,6.56 -153.497,6.56 cw(c-153.497,4.11) v1(-151.765,5.842)
RAW: CON303.1 D302.5 F301.2 | length 7.3
  Component Side w0.5: CON303.1@-45.625,78.75 -45.625,79.296 cw(c-44.022,79.296) -44.022,80.899 -42.551,80.899 cw(c-42.551,80.465) F301.2@-42.244,80.772 cw(c-43.357,79.659) -42.105,80.612 cw(c-43.357,79.659) F301.2@-42.097,80.602 ; F301.2@-42.035,80.664 F301.2@-42.097,80.602 ; D302.5@-41.783,78.591 -41.783,79.659 ccw(c-43.357,79.659) -42.071,80.567 ccw(c-43.357,79.659) F301.2@-42.097,80.602
row2: D202.2 D204.2 D206.2 D208.2 D210.2 D212.2 D214.2 U301.9 | length 452.8
  Component Side w0.203: D214.2@-246.126,82.78 -230.604,82.78 cw(c-230.604,82.577) -230.401,82.577 -230.401,82.325 ccw(c-230.099,82.325) -230.099,82.023 -228.879,82.023 ccw(c-228.879,82.325) -228.577,82.325 -228.577,82.577 cw(c-228.374,82.577) -228.374,82.78 D212.2@-227.076,82.78 -210.29,82.78 cw(c-210.29,82.577) -210.087,82.577 -210.087,82.325 ccw(c-209.785,82.325) -209.785,82.023 -208.565,82.023 ccw(c-208.565,82.325) -208.263,82.325 -208.263,82.577 cw(c-208.06,82.577) -208.06,82.78 D210.2@-190.125,82.78 -172.184,82.78 cw(c-172.184,82.577) -171.981,82.577 -171.981,82.325 ccw(c-171.679,82.325) -171.679,82.023 -170.459,82.023 ccw(c-170.459,82.325) -170.157,82.325 -170.157,82.577 cw(c-169.954,82.577) -169.954,82.78 D208.2@-152.019,82.78 -151.511,82.666 -134.211,82.666 cw(c-134.211,82.463) -134.008,82.463 -134.008,82.325 ccw(c-133.706,82.325) -133.706,82.023 -132.486,82.023 ccw(c-132.486,82.325) -132.184,82.325 -132.184,82.577 cw(c-131.981,82.577) -131.981,82.78 D206.2@-113.919,82.78 -95.984,82.78 cw(c-95.984,82.577) -95.781,82.577 -95.781,82.325 ccw(c-95.479,82.325) -95.479,82.023 -94.259,82.023 ccw(c-94.259,82.325) -93.957,82.325 -93.957,82.577 cw(c-93.754,82.577) -93.754,82.78 D204.2@-75.825,82.78 -57.805,82.78 cw(c-57.89,82.595) -57.687,82.595 -57.687,82.325 ccw(c-57.385,82.325) -57.385,82.023 -56.165,82.023 ccw(c-56.165,82.325) -55.863,82.325 -55.863,82.577 cw(c-55.66,82.577) -55.66,82.78 D202.2@-37.725,82.78 -36.911,82.78 cw(c-36.912,82.577) -36.877,82.777 ccw(c-36.806,83.174) -36.734,82.777 cw(c-36.699,82.577) -36.7,82.78 -19.79,82.78 cw(c-19.79,82.577) -19.587,82.577 -19.587,82.325 ccw(c-19.285,82.325) -19.285,82.023 -16.764,82.023 cw(c-16.764,79.483) -14.224,79.483 v1(-14.224,68.072) ; U301.9@-150.25,13.1 -149.702,13.151 ccw(c-150.11,14.574) -148.629,14.574 -148.629,15.509 cw(c-147.445,15.509) -147.445,16.694 -142.937,16.694 cw(c-142.938,16.49) -142.925,16.693 cw(c-142.938,16.49) -142.762,16.592 ccw(c-142.24,16.891) -142.389,16.308 ccw(c-142.329,16.502) -142.365,16.302 -142.347,16.299 ccw(c-142.24,16.891) -142.138,16.298 ; -142.136,16.298 cw(c-142.103,16.098) -142.104,16.301 -141.699,16.301 cw(c-141.699,16.098) v1@-141.584,16.265
  Bottom Layer w0.203: v1(-141.583,16.265) -141.583,17.5 cw(c-139.861,17.5) -139.861,19.221 -75.648,19.221 cw(c-75.648,15.875) -72.301,15.881 cw(c-75.648,15.875) -72.301,15.875 -72.301,14.203 -72.301,13.589 ccw(c-69.358,13.589) -72.301,13.587 ccw(c-69.358,13.589) -71.959,12.211 ccw(c-69.358,13.589) -70.715,10.977 ccw(c-69.358,13.589) -69.358,10.646 -29.704,10.646 ccw(c-29.704,12.379) -28.673,10.986 ccw(c-29.704,12.379) -27.97,12.379 -27.97,57.658 cw(c-25.027,57.658) -25.027,60.601 -16.442,60.601 ccw(c-16.443,60.804) -16.416,60.603 ccw(c-16.764,63.119) -14.224,63.119 v1(-14.224,68.072)
row3: D215.2 D217.2 D219.2 D221.2 D223.2 D225.2 D227.2 U301.10 | length 376
  Component Side w0.203: D227.2@-238.76,63.73 -221.079,63.73 cw(c-221.079,63.527) -220.876,63.527 -220.876,63.275 ccw(c-220.574,63.275) -220.574,62.973 -219.354,62.973 ccw(c-219.354,63.275) -219.052,63.275 -219.052,63.406 cw(c-218.849,63.406) -218.993,63.549 -218.872,63.671 cw(c-218.728,63.527) -218.728,63.73 D225.2@-217.551,63.73 -200.759,63.73 cw(c-200.759,63.527) -200.556,63.527 -200.556,63.275 ccw(c-200.254,63.275) -200.254,62.973 -199.034,62.973 ccw(c-199.034,63.275) -198.732,63.275 -198.732,63.527 cw(c-198.529,63.527) -198.529,63.73 D223.2@-180.6,63.73 -162.665,63.73 cw(c-162.665,63.527) -162.462,63.527 -162.462,63.275 ccw(c-162.16,63.275) -162.16,62.973 -160.94,62.973 ccw(c-160.94,63.275) -160.638,63.275 -160.638,63.532 cw(c-160.435,63.532) -160.482,63.73 D221.2@-142.621,63.73 -124.565,63.73 cw(c-124.565,63.527) -124.362,63.527 -124.362,63.275 ccw(c-124.06,63.275) -124.06,62.973 -122.84,62.973 ccw(c-122.84,63.275) -122.538,63.275 -122.538,63.533 cw(c-122.335,63.533) -122.386,63.73 ; U301.10@-150.25,14.2 -149.413,14.2 ccw(c-149.413,14.58) -149.032,14.58 -149.032,15.509 cw(c-147.445,15.509) -147.445,17.097 -142.446,17.097 cw(c-142.446,16.891) v1(-142.24,16.891) ; -122.385,63.73 D219.2@-104.4,63.73 -86.459,63.73 cw(c-86.459,63.527) -86.256,63.527 -86.256,63.275 ccw(c-85.954,63.275) -85.954,62.973 -84.734,62.973 ccw(c-84.734,63.275) -84.432,63.275 -84.432,63.527 cw(c-84.229,63.527) -84.229,63.73 D217.2@-66.294,63.73 -49.633,63.73 cw(c-49.633,63.5) -49.595,63.727 cw(c-49.629,63.526) -49.426,63.527 -49.426,63.315 ccw(c-49.124,63.315) -49.124,63.013 -47.904,63.013 ccw(c-47.904,63.315) -47.602,63.315 -47.602,63.527 cw(c-47.399,63.527) v1@-47.399,63.73 ; v1@-47.392,63.671 cw(c-47.248,63.527) v1(-47.25,63.73) D215.2@-46.101,63.73
  Bottom Layer w0.203: v1(-142.24,16.891) ccw(c-142.853,17.504) -141.986,17.504 cw(c-139.866,17.504) -139.866,19.625 -75.648,19.625 cw(c-75.648,15.875) -71.898,15.881 cw(c-75.648,15.875) -71.898,15.874 -71.898,13.715 -71.898,13.589 ccw(c-69.358,13.589) -69.358,11.049 -49.149,11.049 ccw(c-49.149,13.589) -46.609,13.589 -46.609,29.322 cw(c-44.069,29.322) -44.069,31.862 -41.843,31.862 ccw(c-41.843,34.595) -41.004,31.994 ; v1(-47.25,63.73) -47.25,42.443 ccw(c-44.71,42.443) -44.71,39.903 -43.31,39.903 cw(c-43.307,39.096) -43.307,39.903 -41.212,39.903 cw(c-41.212,37.79) -40.747,39.851 ; -40.746,39.851 cw(c-41.212,37.79) -39.109,37.589 ccw(c-38.907,37.571) -39.11,37.572 -39.11,36.363 -39.11,34.971 cw(c-41.65,34.971) -39.11,34.968 -39.11,34.428 cw(c-39.513,34.428) -39.114,34.37 -39.137,34.207 -39.138,34.205 cw(c-41.843,34.595) -41.004,31.994 ; -40.36,32.299 cw(c-41.843,34.595) -41.004,31.994
SWDCLK: CON304.4 CON307.3 U301.31 | length 35.7
  Component Side w0.203: CON307.3@-187.071,21.844 cw(c-185.718,21.844) -185.718,23.197 -176.149,23.197 ; CON304.4@-176.149,21.844 -176.149,23.197 ; U301.31@-163.75,10.9 -164.093,11.148 ccw(c-164.696,9.954) -164.513,11.279 ccw(c-164.539,11.078) -164.538,11.281 -164.846,11.281 cw(c-164.846,13.152) -165.048,11.292 cw(c-164.846,13.152) -166.718,13.152 -166.718,21.06 ccw(c-168.854,21.06) -167.076,22.244 ccw(c-168.854,21.06) -168.854,23.197 -176.149,23.197
SWDIO: CON304.2 CON307.4 U301.32 | length 57
  Component Side w0.203: CON304.2@-177.419,21.844 ccw(c-178.054,21.844) -178.054,22.479 -178.547,22.479 ccw(c-178.547,21.194) -179.832,21.194 cw(c-180.96,21.194) -180.96,20.066 -187.325,20.066 cw(c-187.325,20.828) -188.087,20.828 ccw(c-189.103,20.828) -189.103,21.844 CON307.4@-189.611,21.844 -189.611,9.758 ccw(c-188.384,9.758) -188.384,8.531 -176.566,8.531 cw(c-176.566,5.185) -174.451,7.778 cw(c-176.566,5.185) -174.2,7.551 -173.394,6.745 ccw(c-171.882,8.255) -173.232,6.599 ccw(c-173.105,6.757) -173.152,6.56 -173.089,6.496 ccw(c-172.946,6.641) -173.055,6.47 ccw(c-172.137,7.94) -172.137,6.206 -168.419,6.206 ccw(c-168.419,8.382) -166.243,8.382 cw(c-164.825,8.382) -164.825,9.8 U301.32@-163.75,9.8 U301.32@-164.298,9.689
VBAT: C406.2 Q401.3 Q403.2 R407.1 SW301.2 U401.3 | length 193.8
  Component Side w0.203: v1(-136.398,10.414) -135.264,10.414 cw(c-135.264,10.348) Q403.2@-135.198,10.348 -134.328,10.348 cw(c-134.328,9.324) R407.1@-133.604,10.048
  Component Side w0.5: SW301.2@-35.318,60.241 cw(c-33.424,60.241) -33.424,62.135 -29.058,62.135 ; Q401.3@-29.648,58.166 ccw(c-29.648,58.306) -29.62,58.169 ccw(c-29.648,58.306) -29.508,58.306 -29.508,61.685 cw(c-29.058,61.685) -29.058,62.135 ; v1(-25.295,59.56) -24.561,59.56 ccw(c-24.561,59.676) U401.3@-24.445,59.676 cw(c-24.445,60.265) -25.034,60.265 C406.2@-25.034,61.214 ccw(c-25.955,61.214) -25.955,62.135 -29.058,62.135
  Bottom Layer w0.203: v1(-136.398,10.414) -136.398,15.875 cw(c-133.858,15.875) -133.858,18.415 -75.648,18.415 cw(c-75.648,15.875) -73.108,15.875 -73.108,14.775 -73.108,13.589 ccw(c-69.358,13.589) -73.108,13.584 ccw(c-69.358,13.589) -72.473,11.502 ccw(c-69.358,13.589) -70.735,10.102 ccw(c-69.358,13.589) -69.358,9.839 -29.704,9.839 ccw(c-29.704,12.379) -27.164,12.379 -27.164,57.658 cw(c-25.027,57.658) -25.545,59.731 cw(c-25.496,59.534) v1(-25.295,59.56)
VBUS: C303.2 D401.1 D402.1 Q301.2 Q401.1 R404.1 U301.22 U401.4 | length 268.8
  Component Side w0.203: C303.2@-160.162,21.844 ccw(c-160.162,21.706) -160.3,21.706 U301.22@-160.3,19 -160.3,13.208 ccw(c-159.157,13.208) -159.157,12.065 v1(-153.977,12.065) ; v1(-147.445,15.509) -147.445,15.684 cw(c-147.242,15.684) -147.242,15.887 -143.306,15.887 cw(c-143.307,15.684) -143.173,15.837 ccw(c-142.24,16.891) -143.047,15.737 ; -143.047,15.737 cw(c-143.164,15.571) -143.041,15.733 ccw(c-141.639,17.575) -142.644,15.49 ccw(c-141.639,17.575) -141.639,15.26 -141.583,15.26 ccw(c-141.583,16.265) -140.831,15.598 ccw(c-141.583,16.265) -140.578,16.283 -140.578,16.35 cw(c-140.375,16.349) -140.526,16.485 ccw(c-140.97,16.891) -140.372,16.824 cw(c-140.17,16.8) -140.289,16.965 cw(c-139.875,16.383) -139.875,17.097 -77.425,17.097 ccw(c-77.426,17.3) -77.344,17.114 cw(c-75.819,13.715) -74.378,17.151 ; -76.584,17.361 cw(c-75.819,13.715) -74.378,17.151 ; D401.1@-20.701,58.024 -19.05,58.024 cw(c-19.05,55.484) -16.51,55.484 -16.51,51.887 ccw(c-13.97,51.887) -13.97,49.347 -8.128,49.347 cw(c-8.128,46.807) -5.588,46.807 -5.588,19.637 cw(c-8.128,19.637) -8.128,17.097 -74.213,17.097 cw(c-74.212,17.3) -74.294,17.114 ccw(c-75.819,13.715) -74.378,17.151
  Component Side w0.4: R404.1@-30.353,64.404 -28.544,64.404 ccw(c-28.544,64.5) D402.1@-28.448,64.5
  Component Side w0.5: Q301.2@-33.545,81.087 -29.083,81.087 cw(c-29.083,78.547) -26.543,78.547 -26.543,68.997 cw(c-29.083,68.997) -27.287,67.201 -27.704,66.784 ccw(c-25.908,64.988) -28.448,64.988 D402.1@-28.448,64.5 -22.352,64.5 cw(c-22.352,61.96) -19.812,61.96 -19.812,58.913 cw(c-20.701,58.913) D401.1@-20.701,58.024 -23.347,58.024 ccw(c-23.347,56.926) U401.4@-24.445,56.926 ccw(c-25.145,56.226) -25.145,57.216 Q401.1@-27.248,57.216
  Bottom Layer w0.203: v1(-153.977,12.065) -149.985,12.065 ccw(c-149.985,14.605) -147.445,14.605 v1(-147.445,15.509)
VCC3V3: C301.2 C302.2 C403.2 C404.2 CON304.1 CON307.5 U301.14 U402.2 | length 221.5
  Component Side w0.203: CON304.1@-177.419,20.574 -177.419,19.431 ccw(c-174.879,19.431) -174.879,16.891 v1(-174.752,16.891) ; v1(-151.638,16.129) U301.14@-151.638,18.862
  Component Side w0.5: -25.72,47.315 U402.2@-25.72,48.33 -24.194,48.33 ccw(c-24.194,48.387) C404.2@-24.137,48.387 -24.137,46.871 C403.2@-24.145,46.863
  Component Side w0.508: U301.14@-151.5,19 cw(c-149.881,19) -149.881,20.619 -23.552,20.619 ccw(c-23.552,23.159) -21.012,23.159 -21.012,35.835 ccw(c-23.552,35.835) -21.756,37.631 -24.976,40.851 cw(c-23.18,42.647) -25.72,42.647 -25.72,47.315
  Bottom Layer w0.203: CON307.5@-192.151,21.844 cw(c-189.97,21.844) -189.97,24.025 -177.927,24.025 cw(c-177.927,21.082) -177.246,23.945 ; -177.245,23.945 cw(c-177.927,21.082) -174.984,21.082 -174.984,19.275 ccw(c-174.781,19.276) -174.933,19.142 cw(c-175.381,18.74) -174.933,18.339 ccw(c-174.781,18.204) -174.984,18.205 -174.984,17.123 ccw(c-174.752,17.123) v1(-174.752,16.891) ccw(c-174.752,16.419) -174.793,16.889 ccw(c-174.775,16.687) -174.977,16.672 ccw(c-172.847,16.839) -174.798,15.968 ccw(c-172.847,16.839) -173.218,14.735 ; -173.695,14.878 ccw(c-172.847,16.839) -173.218,14.735 ; v1(-151.638,16.129) cw(c-153.065,16.129) -153.065,14.702 -172.847,14.702 cw(c-172.847,16.839) -173.218,14.735
VSYS: BZ501.1 C402.2 D402.2 D517.2 Q401.2 R501.2 R509.1 U402.3 | length 268.4
  Component Side w0.5: -238.871,27.687 -238.871,27.782 ; R509.1@-237.886,26.797 cw(c-237.886,27.782) -238.871,27.782 ; -227.641,40.5 -240.201,40.5 ccw(c-240.201,38.735) -241.966,38.735 -241.966,36.195 -241.411,36.195 cw(c-241.411,33.655) -238.871,33.655 D517.2@-238.871,28.575 -238.871,27.782 ; -227.641,40.501 -227.019,40.501 ; -227.019,40.5 -225.17,40.5 cw(c-225.168,40) -224.909,40.428 ccw(c-223.462,42.815) -222.015,40.428 -221.943,40.5 -221.756,40.5 -38.494,40.5 v2(-38.481,40.513) ; v2(-29.21,51.562) C402.2@-29.21,50.18 -27.22,50.18 ccw(c-27.22,50.73) U402.3@-26.67,50.73 -26.67,52.382 ; D402.2@-28.448,61.23 cw(c-28.448,60.03) -27.248,60.03 Q401.2@-27.248,59.116 ccw(c-27.248,58.17) -28.194,58.17 -28.194,57.576 cw(c-28.694,57.578) -28.196,57.533 ccw(c-27.748,57.491) -28.198,57.491 -28.198,56.941 ccw(c-27.748,56.941) -28.196,56.899 cw(c-28.694,56.854) -28.194,56.856 ccw(c-26.747,56.855) -27.77,55.833 -27.164,55.226 cw(c-28.356,54.034) -26.731,54.483 cw(c-28.356,54.034) -26.67,54.034 -26.67,52.382 ; R501.2@-20.701,43.576 -20.701,50.038 ccw(c-23.114,50.038) -23.114,52.451 -26.601,52.451 ccw(c-26.601,52.382) -26.67,52.382
  Bottom Layer w0.5: v2(-38.481,40.513) -32.639,40.513 ccw(c-32.639,43.053) -30.099,43.053 -30.099,50.673 cw(c-29.21,50.673) v2(-29.21,51.562)
pads on no net: CON304.0 CON304.6 D302.3 D302.4 D501. FID1.0 FID2.0 FID3.0 FID4.0 S201. S202. S203. S204. S205. S206. S207. S208. S209. S210. S211. S212. S213. S214. S215. S216. S217. S218. S219. S220. S221. S222. S223. S224. S225. S226. S227. S228. S229. S230. S231. S232. S233. S234. S235. S236. S237. S238. S239. S240. S242. S243. S245. S246. S247. S248. S249. S250. S251. S252. S253. S254. S255. S256. S257. S258. S259. S260. S261. S262. S264. S265. S266. S267. SW301. SW301.3

## Polygon pours and split planes (outlines as drawn)
GND on Bottom Layer "Component Side-No Net" (solid, remove dead copper, pour order 4): -0.635,93.995 -0.635,0.65 -284.48,0.65 -284.48,93.995
GND on Component Side "Component Side-No Net" (solid, remove dead copper, pour order 8): -0.635,93.995 -0.635,0.65 -284.48,0.65 -284.48,93.995

## Other copper
Component Side:
  pour cut-out: -189.992,-1.016 -189.992,2.413 cw(c-188.722,2.413) -188.722,3.683 -119.634,3.683 cw(c-119.634,2.413) -118.364,2.413 -118.364,-1.016
Bottom Layer:
  pour cut-out: -189.992,-1.016 -189.992,2.413 cw(c-188.722,2.413) -188.722,3.683 -119.634,3.683 cw(c-119.634,2.413) -118.364,2.413 -118.364,-1.016

## Silkscreen, mask and mechanical layers (free items; w line width, h text height)
Top Overlay:
  drawing of 16 lines, arcs and shapes, not listed
  text "3.7v LiPo / Check polarity" at -67.31,64.135 h0.75
  text "+" at -67.435,61.027 h1.54 r270
  text "Blink: No/faulty battery / OFF: Battery charged / ON:  Charging" at -18.923,56.134 h0.75
  text "-" at -67.194,55.372 h1.54
  text "ON | OFF" at -39.227,53.467 h0.75
  text "+" at -240.109,35.941 h1
  text "-" at -232.743,35.814 h1
  text "DIO" at -189.722,19.993 h0.75 r270
  text "CLK" at -187.309,19.993 h0.75 r270
  text "RST" at -184.769,19.993 h0.75 r270
  text "GND" at -182.229,19.993 h0.75 r270
  text "JLCJLCJLCJLC" at -159.893,18.034 h1.2 r270
  text "3V3" at -191.627,17.961 h0.75 r90
  text "Unextended ANSI / Pre-release V1" at -100.901,2.667 h0.75
outline:
  lines w0.1: -7.177,94.415 cw(c-10.327,95.149) -13.477,94.415 -34.575,94.415 cw(c-37.724,95.149) -40.874,94.415 -95.95,94.415 cw(c-99.1,95.149) -102.25,94.415 -125.061,94.415 cw(c-128.211,95.149) -131.361,94.415 -182.75,94.415 cw(c-185.9,95.149) -189.05,94.415 -244.125,94.415 cw(c-247.274,95.149) -250.424,94.415 -269.55,94.415 cw(c-272.7,95.149) -275.85,94.415 -282.85,94.415 ccw(c-282.85,92.415) -284.85,92.415 -284.85,39.065 -284.85,2.215 ccw(c-282.85,2.215) -282.85,0.215 -275.85,0.215 cw(c-272.7,-0.52) -269.55,0.215 -236.137,0.215 cw(c-232.987,-0.52) -229.838,0.215 -189.05,0.215 cw(c-185.9,-0.52) -182.75,0.215 -102.25,0.215 cw(c-99.1,-0.52) -95.95,0.215 -55.161,0.215 cw(c-52.011,-0.52) -48.861,0.215 -15.45,0.215 cw(c-12.3,-0.52) -9.15,0.215 -2.15,0.215 ccw(c-2.15,2.215) -0.15,2.215 -0.15,92.415 ccw(c-2.15,92.415) -2.15,94.415 -7.15,94.415
Mechanical 9:
  lines w0.2: -189.992,2.413 -189.992,-1.016 -188.722,-1.016
  lines w0.203: -189.992,2.413 cw(c-188.722,2.413) -188.722,3.683 -119.634,3.683 cw(c-119.634,2.413) -118.364,2.413 -118.364,-1.016 -188.722,-1.016

## Dimensions
-0.15,92.415 to -284.85,92.415 on top dimensions
-9.15,0.215 to -7.177,94.415 on top dimensions
-0.15,92.415 to -284.85,92.415 on bot dimensions
-9.15,0.215 to -2.15,94.415 on bot dimensions